# KiCad board poly_kb_wave_left.kicad_pcb (continued)
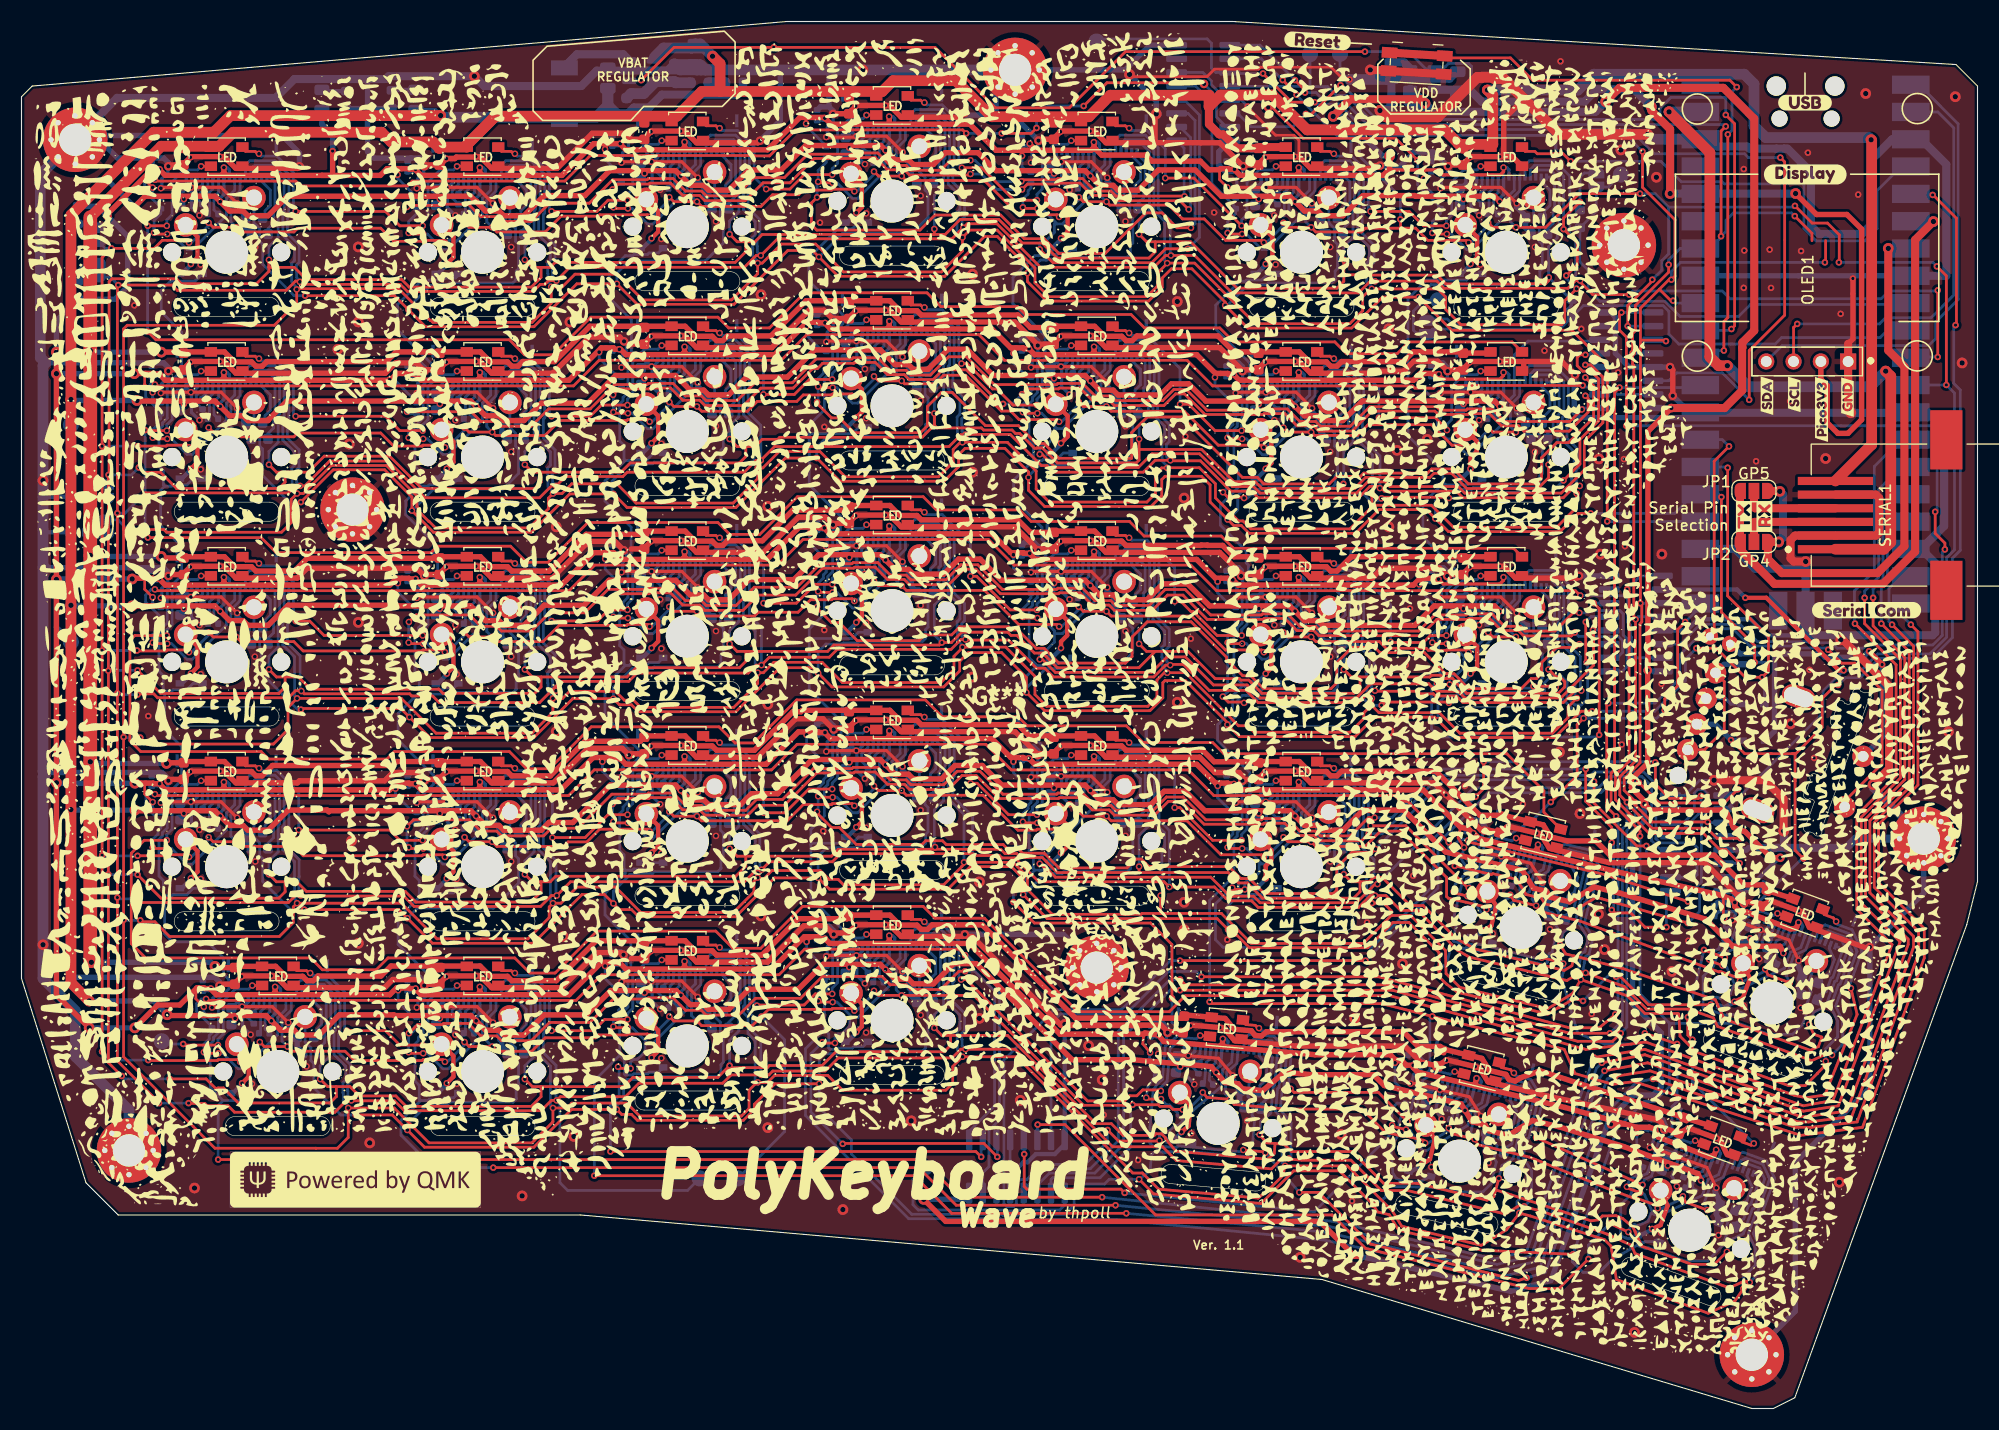
[diagram p0: board, top side]
## Routing (per net, layer and track width the routed paths; a pad name or vN(x,y) marks a point on that pad's centre or on a via; arc(x,y) is an arc through that point) (continued)
  Bottom w0.4: C1.2 2.01,84.8 2,84.79 ; R6.1 30.27,120.95 R5.1 ; C2.2 2.26,81.49 2,81.75 ; U1.42 166,72.35 165.55,71.91 162.39,71.91 160.89,73.41 155.98,73.41 154.94,72.36 U6.13 ; v1(97.08,35.72) 97.07,35.7 U8.8 97.07,24.58 96.15,23.66 94.38,23.66 93.62,22.9 93.23,22.9 91.99,21.66 U8.13
  Bottom w0.5: 139.95,110.84 139.95,109.81 140.44,109.32 ; C3_13.2 112.43,97.26 113.24,97.26 113.61,96.88 v2(113.61,96.48) ; 83.29,95.03 82.8,95.52 82.8,96.56 ; 25.65,34.64 25.65,33.61 26.14,33.12 ; C3_10.2 55.28,99.64 55.68,99.64 v2(56.07,99.25) ; 142.15,45.92 141.79,46.51 142.03,47.51 ; v3(120.08,73.99) 120.08,73.64 120.9,72.81 120.9,72.74 ; 139.95,72.74 139.95,72.81 139.12,73.64 v3(139.12,73.99) ; v3(101.03,95.42) 101.03,95.07 101.85,94.24 101.85,94.18 ; 101.85,75.13 101.85,74.09 102.34,73.6 ; v2(132.69,96.49) 132.69,96.81 132.24,97.26 131.48,97.26 C3_14.2 ; C3_28.2 134.89,54.76 135.24,54.76 135.86,54.61 136.18,54.08 v2(136.1,53.76) ; v3(81.97,78.75) 81.97,78.4 82.8,77.58 82.8,77.51 ; 44.7,53.69 44.7,53.76 43.88,54.59 v3(43.88,54.94) ; v2(153.39,96.86) 149.58,96.86 148.31,98.13 148.31,101.5 147.87,101.94 U5.8 ; v2(153.64,94.19) 155.19,92.65 U1.28 156.62,92.16 144.95,92.16 144.48,92.63 144.48,96.08 v2(144.55,96.15) ; 63.75,56.08 63.75,55.04 64.24,54.55 ; 101.85,56.08 101.85,56.14 101.03,56.97 v3(101.03,57.32) ; 83.29,37.88 82.8,38.37 82.8,39.41 ; 63.75,37.03 63.75,35.99 64.24,35.5 ; v3(81.97,116.85) 81.97,116.5 82.8,115.67 82.8,115.61 ; v2(37.48,77.44) 37.48,77.77 37.04,78.21 36.23,78.21 C3_16.2 ; 121.39,90.27 120.9,90.76 120.9,91.79 ; 82.8,58.46 82.8,57.42 83.29,56.93 ; 64.24,92.65 63.75,93.14 63.75,94.18 ; v3(20.06,54.94) 20.06,54.59 20.89,53.76 20.89,53.69 ; 63.75,75.13 63.75,75.19 62.93,76.02 v3(62.93,76.37) ; 45.19,52.17 44.7,52.66 44.7,53.69 ; 45.19,33.12 44.7,33.61 44.7,34.64 ; v2(13.66,77.44) 13.66,77.77 13.22,78.21 2.54,78.21 2.25,78.5 ; 75.1,124.5 75.14,124.46 75.14,121.07 ; 136.32,25.8 136.33,25.86 135.72,26.86 v3(135.81,27.2) ; 82.8,115.61 82.8,114.57 83.29,114.08 ; C3_20.2 112.43,78.21 113.24,78.21 113.48,77.96 v2(113.48,77.44) ; 139.95,110.84 139.95,110.91 139.12,111.74 v3(139.12,112.09) ; 136.32,25.8 136.07,24.79 136.44,24.2 ; 102.34,92.65 101.85,93.14 101.85,94.18 ; v2(87.78,44.1) 96.95,44.1 H1.1 ; v2(68.72,117.92) 70.6,119.79 70.6,124.5 69,124.5 ; v3(20.06,112.09) 20.06,111.74 20.89,110.91 20.89,110.84 ; 2.25,59 2.41,59.16 13.07,59.16 13.66,58.56 v2(13.66,58.39) ; 140.44,71.22 139.95,71.71 139.95,72.74 ; 170.35,105.35 170.35,105.15 v4(170.4,105.1) ; 170.35,105.35 U1.33 ; 170.35,105.35 U1.8 ; v3(101.03,114.47) 101.03,114.12 101.85,113.29 101.85,113.23 ; 82.8,58.46 82.8,58.52 81.97,59.35 v3(81.97,59.7) ; v2(18.43,39.34) 18.43,39.67 17.99,40.11 4.86,40.11 3.38,38.62 ; C3_12.2 93.38,99.64 94.19,99.64 94.56,99.27 v2(94.56,98.87) ; 165.7,40.21 165.73,40.27 165.23,41.33 v3(165.35,41.66) ; H4.1 177,47.93 v2(171.98,42.92) 171.98,29.84 165.05,22.9 165.05,9.05 H3.1 ; 82.8,39.41 82.8,39.47 81.97,40.3 v3(81.97,40.65) ; 44.7,91.79 44.7,91.86 43.88,92.69 v3(43.88,93.04) ; v2(126.4,115.6) 126.46,115.54 128.27,115.54 129.59,116.85 131.25,116.85 ; v2(94.56,60.77) 94.56,61.17 94.19,61.54 93.38,61.54 C3_26.2 ; v2(56.04,79.82) 55.58,80.28 C3_17.2 ; v2(160.27,46.97) 160.17,47.07 ; 120.9,53.69 120.9,52.66 121.39,52.17 ; 90.69,120.3 92.24,120.3 v2(94.62,117.92) ; 90.69,120.3 90.69,122.74 H5.1 ; 90.69,120.3 87.95,120.3 v2(87.75,120.5) ; C3_24.2 55.28,61.54 56.09,61.54 56.52,61.1 v2(56.52,60.77) ; v2(94.62,79.82) 94.62,80.15 94.19,80.59 93.38,80.59 C3_19.2 ; C3_31.2 55.28,42.49 55.73,42.49 v2(56.02,42.2) ; 120.9,110.84 120.9,109.81 121.39,109.32 ; 36.23,116.31 37.04,116.31 37.48,115.87 v2(37.48,115.54) ; 36.23,116.31 32.79,116.31 32.2,116.9 32.2,123.45 32.4,123.65 ; 36.23,116.31 C3_2.2 ; 21.37,71.22 20.88,71.71 20.88,72.74 ; v3(43.88,73.99) 43.88,73.64 44.7,72.81 44.7,72.74 ; 44.7,110.84 44.7,109.81 45.19,109.32 ; 113.78,28.09 113.33,28.62 113.42,29.65 ; 139.95,91.79 139.95,91.86 139.12,92.69 v3(139.12,93.04) ; 2.25,97.25 2.26,97.26 13.22,97.26 13.66,96.82 v2(13.66,96.49) ; 20.88,53.69 20.88,52.66 21.37,52.17 ; v2(37.48,58.39) 37.48,58.72 37.04,59.16 36.23,59.16 C3_23.2 ; 101.85,75.13 101.85,75.19 101.03,76.02 v3(101.03,76.37) ; U4.8 104.99,126.81 102.68,124.5 ; 142.03,47.51 142.05,47.58 141.44,48.57 v3(141.52,48.91) ; v2(113.61,58.39) 113.61,58.78 113.24,59.16 112.43,59.16 C3_27.2 ; 75.14,121.07 74.33,121.07 C3_4.2 ; 75.14,121.07 75.52,120.69 v2(75.52,120.41) ; v1(105.59,120.41) 105.59,121.59 v1(103.1,124.08) 102.68,124.5 ; v2(37.48,96.49) 37.48,96.82 37.04,97.26 36.23,97.26 C3_9.2 ; 157.98,17.47 157.69,18.1 158.04,19.07 ; 64.24,111.7 63.75,112.19 63.75,113.23 ; 165.64,38.61 165.35,39.24 165.7,40.21 ; 25.65,34.64 25.65,34.71 24.82,35.54 v3(24.82,35.89) ; C3_34.2 129.18,33.04 129.61,33.04 130.37,32.28 v2(130.37,32.04) ; 158.05,19.07 158.07,19.13 157.58,20.19 v3(157.7,20.52) ; 121.39,71.22 120.9,71.71 120.9,72.74 ; v3(62.93,114.47) 62.93,114.12 63.75,113.29 63.75,113.23 ; 113.43,29.65 113.43,29.72 112.68,30.61 v3(112.71,30.96) ; C3_33.2 105.4,35.81 105.64,35.81 106.27,35.76 106.67,35.28 v2(106.64,34.96) ; 101.85,113.23 101.85,112.19 102.34,111.7 ; v3(62.93,38.27) 62.93,37.92 63.75,37.09 63.75,37.03 ; 82.8,96.56 82.8,96.62 81.97,97.45 v3(81.97,97.8) ; C3_35.2 152.12,27.04 152.71,26.82 152.97,26.26 v2(152.86,25.95) ; v3(62.93,95.42) 62.93,95.07 63.75,94.24 63.75,94.18 ; 64.24,73.6 63.75,74.09 63.75,75.13 ; v3(120.08,93.04) 120.08,92.69 120.9,91.86 120.9,91.79 ; 131.25,116.85 131.41,116.85 v2(132.72,115.54) ; 131.25,116.85 131.2,116.8 131.2,116.03 C3_7.2 ; C3_25.2 74.33,63.92 75.14,63.92 75.57,63.48 v2(75.57,63.15) ; v3(43.88,112.09) 43.88,111.74 44.7,110.91 44.7,110.84 ; v2(13.66,115.54) 13.66,115.87 13.22,116.31 8.94,116.31 H6.1 ; 139.95,91.79 139.95,90.76 140.44,90.27 ; 101.85,56.08 101.85,55.04 102.34,54.55 ; v2(75.57,44.1) 75.57,44.43 75.14,44.87 74.33,44.87 C3_32.2 ; v3(20.06,93.04) 20.06,92.69 20.89,91.86 20.89,91.79 ; 120.9,110.84 120.9,110.91 120.08,111.74 v3(120.08,112.09) ; 44.7,72.74 44.7,71.71 45.19,71.22 ; C3_30.2 36.23,40.11 37.04,40.11 37.48,39.67 v2(37.48,39.34) ; 102.68,124.5 H5.1 ; 21.37,109.32 20.88,109.81 20.88,110.84 ; C3_11.2 74.33,102.02 75.14,102.02 75.57,101.58 v2(75.57,101.25) ; 63.75,56.08 63.75,56.14 62.93,56.97 v3(62.93,57.32) ; v3(20.06,73.99) 20.06,73.64 20.89,72.81 20.89,72.74 ; 83.29,75.98 82.8,76.47 82.8,77.51 ; 120.9,53.69 120.9,53.76 120.08,54.59 v3(120.08,54.94) ; 45.19,90.27 44.7,90.76 44.7,91.79 ; U6.8 147.72,77.44 v2(144.93,77.44) ; 20.88,91.79 20.88,90.76 21.37,90.27 ; v2(25.86,115.54) 25.86,116.78 24.24,118.4 5.4,118.4 H6.1 ; C3_21.2 131.48,78.21 132.29,78.21 132.66,77.83 v2(132.66,77.43) ; v3(43.88,35.89) 43.88,35.54 44.7,34.71 44.7,34.64 ; U7.13 160.49,51.95 160.69,52.15 162.88,52.15
  Bottom w0.75: U1.18 176.77,79.95 ; U1.18 176.75,79.95 178.07,78.63 178.07,72.17 177.82,71.92 169.03,71.92 ; U1.18 176.77,79.95 ; 176.77,79.95 178.26,81.44 ; 176.77,79.95 178.26,81.44 ; 169.03,71.92 166.53,71.92 166,72.45 U1.42 166,78.76 v1(166.01,78.77) 165.34,78.1 161.3,78.1 159.45,79.95 U1.23 ; 169.03,71.92 169.03,71.74 v1(169.27,71.49) ; v1(163.96,53.7) 163.98,53.68 163.98,52.24 163.88,52.15 163.33,52.15 ; 163.33,52.15 169.79,52.15 170.65,53 H4.1 172.29,57.71 v1(172.29,58.03) ; 163.33,52.15 161.66,52.15 ; 178.26,81.44 178.89,82.07 178.89,91.09 177.33,92.65 U1.13 174.84,92.6 170.6,92.6 170.59,92.61 v1(170.21,92.61) 157.15,92.61 U1.28 ; 60.12,124.44 60.18,124.5 ; 60.12,124.44 R12.1 ; 60.12,124.44 56.57,124.44 U2.2 53.53,124.43 52.1,123 43.05,123 v1(42.14,123.91) 34.16,123.91 33.9,123.65 25.4,123.65 23.65,121.9 8.9,121.9 H6.1 7.66,120.66 ; R13.2 127.43,123.68 128.33,123.68 ; R13.2 127.47,123.37 127.47,120.94 ; R13.2 127.35,123.61 127.93,123.61 ; v1(125.5,124.5) 125.5,123.62 125.51,123.61 ; 128.33,123.68 128,123.68 127.93,123.61 ; 128.33,123.68 132.88,123.68 133.39,124.19 ; 125.51,123.61 v4(123.57,123.61) ; 125.51,123.61 127.93,123.61 ; 62.26,125.07 62.33,124.99 ; U1.8 179.1,105.35 179.1,115.71 176.76,118.05 174.05,118.05 172,116 172,110 171.25,109.25 167.25,109.25 166.5,110 166.5,115 164.32,117.18 164,117.18 164,117.18 163.31,117.18 163.3,117.18 160.77,117.18 160.57,117.38 157.78,117.38 U1.38 ; 60.14,124.45 61.26,124.45
  Bottom w1: 64.65,124.5 v1(78.29,124.5) H5.1 ; 64.65,124.5 62.82,124.5 ; 64.65,124.5 63.65,124.5 63.2,124.95 ; 64.65,124.5 63.2,124.5 C10.2 ; H6.1 1.75,114.75 1.75,97.75 2.25,97.25 2,97 v1(2,86.31) 2,59.25 2.25,59 2,58.75 v1(2,43.13) 2,40 5,37 5,32.75 10,27.75 H2.1 ; R13.2 127.23,123.61 v4(123.57,123.61) ; 62.82,124.5 61.29,124.5 60.74,125.05 R12.1 ; 62.82,124.5 62.33,124.99 ; v1(151.3,118.5) 151.75,118.05 U1.38 ; v1(126.4,120.73) 127.25,120.73 127.47,120.94 ; 60.74,125 62.26,125
  vias: v1(16.1,20.5) v1(29.44,98.51) v1(30.5,89.7) v1(30.71,52.79) v1(31.34,108.04) v1(31.34,101.05) v1(31.34,73.11) v1(31.34,43.27) v1(32.4,24.7) v1(46.58,19.77) v1(49.76,82) v1(49.76,62.95) v1(50.39,43.9) v1(51.03,101.05) v1(51.4,25.3) v1(68.81,103.59) v1(68.81,45.81) v1(69.44,83.91) v1(69.44,65.49) v1(69.44,26.12) v1(76.43,18.5) v1(82.78,26.76) v1(88.49,105.5) v1(88.49,87.08) v1(88.49,68.03) v1(89.13,48.98) v1(89.13,36.28) v1(92.94,28.66) v1(99.29,33.74) v1(100.56,30.57) v1(107.54,102.96) v1(107.54,65.68) v1(108.18,84.68) v1(108.18,47.08) v1(108.18,44.54) v1(118.97,14.06) v1(122.78,25.49) v1(124.05,36.28) v1(127.23,100.42) v1(127.23,82) v1(127.23,62.95) v1(127.99,89.11) v1(128.5,41.36) v1(130.78,90.13) v1(143.1,61.05) v1(145.01,55.33) v1(146.74,45.99) v1(146.77,88.32) v1(146.91,79.46) v1(147.29,42.68) v1(148.82,117.05) v1(150.09,7.07) v1(152.12,114.51) v1(152.63,79.46) v1(153.57,40.65) v1(164.6,63.68) v1(167.87,88.35) v1(169.14,21.04) v1(171.6,122.3) v1(179.3,62.95) v1(179.93,122.01) v1(180.57,97.24) v3(12.97,113.49) v3(12.97,94.44) v3(12.97,75.39) v3(12.97,56.34) v3(16.56,110.97) v3(16.56,91.92) v3(16.56,72.87) v3(16.56,53.82) v3(16.67,106.4) v3(16.67,87.35) v3(16.67,68.3) v3(16.67,49.25) v3(17.73,37.29) v3(21.32,34.77) v3(21.44,30.2) v3(21.71,69.93) v3(21.75,108.03) v3(21.75,88.98) v3(21.75,50.88) v3(26.52,31.83) v3(36.78,113.49) v3(36.78,94.44) v3(36.78,75.39) v3(36.78,56.34) v3(36.78,37.29) v3(40.38,110.97) v3(40.38,91.92) v3(40.38,72.87) v3(40.38,53.82) v3(40.38,34.77) v3(40.49,106.4) v3(40.49,87.35) v3(40.49,68.3) v3(40.49,49.25) v3(40.49,30.2) v3(45.57,108.03) v3(45.57,88.98) v3(45.57,69.93) v3(45.57,50.88) v3(45.57,31.83) v3(55.83,115.88) v3(55.83,96.83) v3(55.83,77.78) v3(55.83,58.73) v3(55.83,39.68) v3(59.43,113.35) v3(59.43,94.3) v3(59.43,75.25) v3(59.43,56.2) v3(59.43,37.15) v3(59.54,108.78) v3(59.54,89.73) v3(59.54,70.68) v3(59.54,51.63) v3(59.54,32.58) v3(64.62,110.41) v3(64.62,91.36) v3(64.62,72.31) v3(64.62,53.26) v3(64.62,34.21) v3(74.88,118.26) v3(74.88,99.21) v3(74.88,80.16) v3(74.88,61.11) v3(74.88,42.06) v3(78.47,115.73) v3(78.47,96.68) v3(78.47,77.63) v3(78.47,58.58) v3(78.47,39.53) v3(78.59,111.16) v3(78.59,92.11) v3(78.59,73.06) v3(78.59,54.01) v3(78.59,34.96) v3(83.67,112.79) v3(83.67,93.74) v3(83.67,74.69) v3(83.67,55.64) v3(83.67,36.59) v3(93.93,115.88) v3(93.93,96.83) v3(93.93,77.78) v3(93.93,58.73) v3(97.53,113.35) v3(97.53,94.3) v3(97.53,75.25) v3(97.53,56.2) v3(102.72,110.41) v3(102.72,91.36) v3(102.72,72.31) v3(102.72,53.26) v3(105.77,32.98) v3(108.84,25.59) v3(109.13,30.15) v3(112.98,113.49) v3(112.98,94.44) v3(112.98,75.39) v3(112.98,56.34) v3(114.04,26.77) v3(116.58,110.97) v3(116.58,91.92) v3(116.58,72.87) v3(116.58,53.82) v3(116.69,106.4) v3(121.77,108.03) v3(121.77,88.98) v3(121.77,69.93) v3(121.77,50.88) v3(129.24,30.22) v3(131.18,22.46) v3(132.03,113.49) v3(132.03,94.44) v3(132.03,75.39) v3(132.14,26.93) v3(134.95,51.94) v3(135.62,110.97) v3(135.62,91.92) v3(135.62,72.87) v3(135.74,106.4) v3(136.5,22.85) v3(136.9,44.17) v3(137.86,48.65) v3(140.82,108.03) v3(140.82,88.98) v3(140.82,69.93) v3(142.22,44.57) v3(151.51,24.27) v3(152.57,16.33) v3(154.03,20.67) v3(157.9,16.12) v3(159.18,45.41) v3(160.23,37.47) v3(161.68,41.81) v3(165.56,37.26) v4(10.5,102.6) v4(11.8,64.4) v4(74.3,110.3) v4(74.6,53.7) v4(74.7,91.3) v4(74.7,72.4) v4(100.7,27.3) v4(103.9,23.1) v4(108.3,90.4) v4(108.8,71.6) v4(110.97,111.24) v4(112.2,43.6) v4(123.8,19.3) v4(125.2,45.2) v4(128.8,69.15) v4(129.2,74.4) v4(129.5,49.55) v4(130,60.2) v4(134.3,57.9) v4(139.7,56.2) v4(141.71,98.39) v4(143.2,125.3) v4(145.14,100.42) v4(146.1,36.7) v4(148.56,96.35) v4(148.9,61.75) v4(149.1,88.3) v4(149.2,80.2) v4(152.6,67.4) v4(155.1,43.5) v4(160.25,115.28) v4(160.3,107.7) v4(160.25,104.23) v4(161.4,88.1) v4(162.66,107.78) v4(162.79,115.15) v4(162.79,104.23) v4(164.57,93.69) v4(165.58,107.66) v4(166.22,116.8) v4(166.38,68.7) v4(166.8,60.5) v4(169.27,101.81) v4(170.9,112.9)
VBAT_DISP: length 1044.1
  Top w0.3: 161.06,42.99 160.84,43.21 v3(160.84,43.73)
  Top w0.5: 96.08,57.92 v3(96.08,57.72) ; 77.03,41.25 v3(77.03,41.05) ; v1(10.3,74.65) 10.3,74.65 17.99,74.65 v3(18.49,74.15) 19.36,73.28 20.62,73.28 21.06,72.84 22.94,72.84 24.82,74.71 34.48,74.71 34.54,74.65 41.81,74.65 v3(42.3,74.15) 43.18,73.28 44.43,73.28 44.88,72.84 46.75,72.84 48.63,74.71 52.35,74.71 54.67,77.03 60.86,77.03 v3(61.35,76.54) 62.23,75.66 63.48,75.66 63.93,75.22 65.8,75.22 67.68,77.09 71.87,77.09 74.19,79.41 79.91,79.41 v3(80.4,78.92) 81.28,78.04 82.53,78.04 82.97,77.6 85.8,77.6 87.2,79 89.2,79 91.17,77.03 98.96,77.03 v3(99.45,76.54) 100.33,75.66 101.58,75.66 102.03,75.22 104.71,75.22 106.2,76.7 108.5,76.7 110.55,74.65 118.01,74.65 v3(118.5,74.15) 119.38,73.28 120.63,73.28 121.08,72.84 129.63,72.84 131.44,74.65 137.06,74.65 v3(137.55,74.15) ; 19.88,36.49 v3(19.88,36.29) ; 96.08,96.02 v3(96.08,95.82) ; 38.93,93.64 v3(38.93,93.44) ; 77.03,79.35 v3(77.03,79.15) ; 77.03,117.45 v3(77.03,117.25) ; 134.18,93.64 v3(134.18,93.44) ; v3(163.93,42.35) 163.64,42.99 159.24,42.99 156.73,45.5 148.77,47.92 146.31,48.51 144.05,47.12 142.23,47.56 141.9,48.1 140.68,48.39 v3(140.03,49.44) 139.66,50.04 132.52,51.76 128.61,55.66 124.83,55.66 122.95,53.79 121.08,53.79 120.63,54.23 119.38,54.23 v3(118.5,55.1) 118.01,55.6 110.1,55.6 108.3,57.4 106.32,57.4 105.08,56.17 102.03,56.17 101.58,56.61 100.33,56.61 v3(99.45,57.49) 98.96,57.98 91.22,57.98 89.4,59.8 86.85,59.8 85.6,58.55 82.97,58.55 82.53,58.99 81.28,58.99 v3(80.4,59.87) 79.91,60.36 73.56,60.36 70.38,57.18 67.92,57.18 66.9,56.17 63.93,56.17 63.48,56.61 62.23,56.61 v3(61.35,57.49) 60.86,57.98 54.78,57.98 51.3,54.5 49.1,54.5 49.09,54.51 48.36,53.79 44.88,53.79 44.43,54.23 43.18,54.23 v3(42.3,55.1) 41.81,55.6 28.69,55.6 28.6,55.5 28.44,55.66 24.82,55.66 22.94,53.79 21.06,53.79 20.62,54.23 19.36,54.23 v3(18.49,55.1) 17.99,55.6 10.6,55.6 v1(10.55,55.65) ; 96.08,115.07 v3(96.08,114.87) ; 15.11,93.64 v3(15.11,93.44) ; v4(10.5,111.75) 11.5,112.75 17.99,112.75 v3(18.49,112.25) 19.36,111.38 20.62,111.38 21.06,110.94 22.94,110.94 24.5,112.5 24.5,112.5 24.75,112.75 41.81,112.75 v3(42.3,112.25) 43.18,111.38 44.43,111.38 44.88,110.94 46.75,110.94 48.63,112.81 52.41,112.81 54.73,115.13 60.86,115.13 v3(61.35,114.64) 62.23,113.76 63.48,113.76 63.93,113.32 65.8,113.32 67.68,115.19 70.69,115.19 72.97,117.47 79.95,117.47 v3(80.4,117.02) 81.28,116.14 82.53,116.14 82.97,115.7 84.85,115.7 85.96,116.8 89,116.8 90.67,115.13 98.96,115.13 v3(99.45,114.64) 100.33,113.76 101.58,113.76 102.03,113.32 103.9,113.32 105.78,115.19 109.21,115.19 111.65,112.75 118.01,112.75 v3(118.5,112.25) 119.38,111.38 120.63,111.38 121.08,110.94 122.95,110.94 124.83,112.81 129.64,112.81 129.7,112.75 137.06,112.75 v3(137.55,112.25) ; 38.93,74.59 v3(38.93,74.39) ; v1(13.55,36.63) 13.62,36.55 22.76,36.55 v3(23.25,36.05) 24.13,35.18 25.38,35.18 25.82,34.74 27.7,34.74 29.58,36.61 34.63,36.61 34.69,36.55 41.81,36.55 v3(42.3,36.05) 43.18,35.18 44.43,35.18 44.88,34.74 46.75,34.74 48.63,36.61 52.57,36.61 54.83,38.87 60.91,38.87 v3(61.35,38.44) 62.23,37.56 63.48,37.56 63.93,37.12 65.8,37.12 67.68,38.99 72.27,38.99 74.59,41.31 79.91,41.31 v3(80.4,40.82) 81.28,39.94 82.53,39.94 82.97,39.5 84.85,39.5 86.73,41.38 88.83,41.38 97.76,32.44 103.38,32.44 110.71,31.8 v3(111.16,31.26) 111.95,30.32 113.2,30.21 113.61,29.73 115.48,29.56 117.51,31.27 120.03,31.05 125.79,31.05 126.8,30.04 133.95,28.32 v3(134.32,27.73) 134.96,26.67 136.18,26.38 136.51,25.85 138.34,25.41 140.6,26.79 143.05,26.2 149.07,24.36 155.98,21.85 v3(156.27,21.21) ; v1(10.75,93.75) 10.8,93.7 11.05,93.7 ; 115.12,112.69 v3(115.12,112.49) ; 115.12,74.59 v3(115.12,74.39) ; 115.12,93.64 v3(115.12,93.44) ; 77.03,60.3 v3(77.03,60.1) ; 11.05,93.7 17.99,93.7 v3(18.49,93.2) 19.36,92.33 20.62,92.33 21.06,91.89 22.94,91.89 23,91.95 23,92 24.7,93.7 41.81,93.7 v3(42.3,93.2) 43.18,92.33 44.43,92.33 44.88,91.89 46.75,91.89 48.37,93.5 52.7,93.5 55.28,96.08 60.86,96.08 v3(61.35,95.59) 62.23,94.71 63.48,94.71 63.93,94.27 65.8,94.27 67.47,95.93 71.26,95.93 73.79,98.46 79.91,98.46 v3(80.4,97.97) 81.28,97.09 82.53,97.09 82.97,96.65 84.35,96.65 86.22,98.53 87.98,98.53 90.42,96.08 98.96,96.08 v3(99.45,95.59) 100.33,94.71 101.58,94.71 102.03,94.27 105.96,94.27 107,95.3 108.6,95.3 110.2,93.7 118.01,93.7 v3(118.5,93.2) 119.38,92.33 120.63,92.33 121.08,91.89 122.95,91.89 124.77,93.7 137.06,93.7 v3(137.55,93.2) ; 11.05,93.7 10.64,93.7 ; 115.12,55.54 v3(115.12,55.34) ; 57.98,57.92 v3(57.98,57.72) ; 57.98,76.97 v3(57.98,76.77) ; 136.85,50.65 v3(136.8,50.46) ; 134.18,112.69 v3(134.18,112.49) ; 57.98,115.07 v3(57.98,114.87) ; 38.93,36.49 v3(38.93,36.29) ; 153.25,22.78 v3(153.18,22.59) ; 96.08,76.97 v3(96.08,76.77) ; 15.11,112.69 v3(15.11,112.49) ; 134.18,74.59 v3(134.18,74.39) ; 77.03,98.4 v3(77.03,98.2) ; 57.98,38.87 v3(57.98,38.67) ; 15.11,74.59 v3(15.11,74.39) ; 15.11,55.54 v3(15.11,55.34) ; 38.93,55.54 v3(38.93,55.34) ; 57.98,96.02 v3(57.98,95.82) ; 131.13,28.94 v3(131.09,28.74) ; 107.83,31.99 v3(107.82,31.79) ; 38.93,112.69 v3(38.93,112.49)
  Top w1: v1(6.3,37.9) 4.6,39.6 v1(4.6,74.7) v1(4.6,93.85) 4.6,111 12.3,118.7 17.9,118.7 19.45,120.25 v1(39,120.25)
  Bottom w0.3: 114.78,54.95 115.12,55.29 v3(115.12,55.34) ; v3(18.49,55.1) 18.49,55.42 18.84,55.77 CONN22.8 ; 133.83,112.1 134.18,112.44 v3(134.18,112.49) ; 76.68,40.66 77.03,41.01 v3(77.03,41.05) ; v3(80.4,117.02) 80.4,117.33 80.75,117.68 CONN4.8 ; CONN26.8 99.8,58.15 99.45,57.8 v3(99.45,57.49) ; v3(80.4,59.87) 80.4,60.18 80.75,60.53 CONN25.8 ; v3(38.93,74.39) 38.93,74.34 38.58,74 ; v3(18.49,74.15) 18.49,74.47 18.84,74.82 CONN15.8 ; v3(23.25,36.05) 23.25,36.37 23.6,36.72 CONN29.8 ; v3(57.98,57.72) 57.98,57.68 57.63,57.33 ; 57.63,114.48 57.98,114.83 v3(57.98,114.87) ; CONN9.8 42.65,93.87 42.3,93.52 v3(42.3,93.2) ; CONN30.8 42.65,36.72 42.3,36.37 v3(42.3,36.05) ; v3(115.12,112.49) 115.12,112.44 114.78,112.1 ; v3(153.18,22.59) 153.17,22.55 152.73,22.34 ; v3(15.11,74.39) 15.11,74.34 14.77,74 ; v3(118.5,74.15) 118.5,74.47 118.85,74.82 CONN20.8 ; v3(77.03,98.2) 77.03,98.16 76.68,97.81 ; v3(38.93,55.34) 38.93,55.29 38.58,54.95 ; v3(61.35,57.49) 61.35,57.8 61.7,58.15 CONN24.8 ; 95.73,114.48 96.08,114.83 v3(96.08,114.87) ; v3(80.4,78.92) 80.4,79.23 80.75,79.58 CONN18.8 ; 95.73,76.38 96.08,76.73 v3(96.08,76.77) ; v3(107.82,31.79) 107.81,31.75 107.44,31.44 ; v3(18.49,93.2) 18.49,93.52 18.84,93.87 CONN8.8 ; v3(38.93,112.49) 38.93,112.44 38.58,112.1 ; v3(115.12,74.39) 115.12,74.34 114.78,74 ; CONN35.8 156.83,21.72 156.38,21.51 v3(156.27,21.21) ; CONN21.8 137.9,74.82 137.55,74.47 v3(137.55,74.15) ; v3(140.03,49.44) 140.1,49.75 140.52,50.01 CONN28.8 ; v3(18.49,112.25) 18.49,112.57 18.84,112.92 CONN1.8 ; v3(61.35,76.54) 61.35,76.85 61.7,77.2 CONN17.8 ; 57.63,76.38 57.98,76.73 v3(57.98,76.77) ; v3(57.98,95.82) 57.98,95.78 57.63,95.43 ; v3(77.03,79.15) 77.03,79.11 76.68,78.76 ; CONN14.8 137.9,93.87 137.55,93.52 v3(137.55,93.2) ; v3(61.35,38.44) 61.35,38.75 61.7,39.1 CONN31.8 ; v3(111.16,31.26) 111.19,31.58 111.56,31.9 CONN33.8 ; v3(80.4,97.97) 80.4,98.28 80.75,98.63 CONN11.8 ; 133.83,74 134.18,74.34 v3(134.18,74.39) ; v3(163.93,42.35) 164.04,42.65 164.49,42.86 CONN36.8 ; CONN2.8 42.65,112.92 42.3,112.57 v3(42.3,112.25) ; CONN19.8 99.8,77.2 99.45,76.85 v3(99.45,76.54) ; 76.68,116.86 77.03,117.21 v3(77.03,117.25) ; CONN3.8 61.7,115.3 61.35,114.95 v3(61.35,114.64) ; 95.73,57.33 96.08,57.68 v3(96.08,57.72) ; v3(137.55,112.25) 137.55,112.57 137.9,112.92 CONN7.8 ; CONN16.8 42.65,74.82 42.3,74.47 v3(42.3,74.15) ; v3(115.12,93.44) 115.12,93.39 114.78,93.05 ; v3(160.84,43.73) 160.83,43.69 160.39,43.48 ; v3(134.18,93.44) 134.18,93.39 133.83,93.05 ; 14.77,54.95 15.11,55.29 v3(15.11,55.34) ; 38.58,35.9 38.93,36.24 v3(38.93,36.29) ; v3(15.11,93.44) 15.11,93.39 14.77,93.05 ; v3(118.5,112.25) 118.5,112.57 118.85,112.92 CONN6.8 ; v3(99.45,114.64) 99.45,114.95 99.8,115.3 CONN5.8 ; v3(19.88,36.29) 19.88,36.24 19.53,35.9 ; v3(61.35,95.59) 61.35,95.9 61.7,96.25 CONN10.8 ; CONN27.8 118.85,55.77 118.5,55.42 v3(118.5,55.1) ; 57.63,38.28 57.98,38.63 v3(57.98,38.67) ; 38.58,93.05 38.93,93.39 v3(38.93,93.44) ; CONN12.8 99.8,96.25 99.45,95.9 v3(99.45,95.59) ; 95.73,95.43 96.08,95.78 v3(96.08,95.82) ; CONN13.8 118.85,93.87 118.5,93.52 v3(118.5,93.2) ; 130.66,28.45 131.08,28.7 v3(131.09,28.74) ; CONN32.8 80.75,41.48 80.4,41.13 v3(80.4,40.82) ; v3(42.3,55.1) 42.3,55.42 42.65,55.77 CONN23.8 ; 14.77,112.1 15.11,112.44 v3(15.11,112.49) ; 136.38,50.16 136.79,50.42 v3(136.8,50.46) ; 76.68,59.71 77.03,60.06 v3(77.03,60.1) ; CONN34.8 134.81,28.29 134.39,28.03 v3(134.32,27.73)
  Bottom w0.4: v1(39,120.25) 38.48,120.77 D6.2
  Bottom w0.5: v1(10.75,93.75) 4.7,93.75 v1(4.6,93.85) 4.6,91.5 TP3.1 ; v1(13.55,36.63) 12.27,37.9 v1(6.3,37.9) ; v1(4.6,74.7) 4.65,74.65 v1(10.3,74.65) ; v1(4.6,55.7) 4.65,55.65 v1(10.55,55.65) ; v4(10.5,111.75) v4(7.98,114.28)
  Bottom w0.75: R10.2 67.12,122.83 66.5,122.2 59.6,122.2 58.4,121 56.97,121 C11.1 56.17,120.33
  Bottom w1: v1(39,120.25) 39.15,120.1 53.47,120.1 54.56,121.19 C12.1 54.56,121.21 55.44,120.33 C11.1
